# Altium PCB PCB-Tester-Relay-Board.PcbDoc (part 1 of 4) (continued)
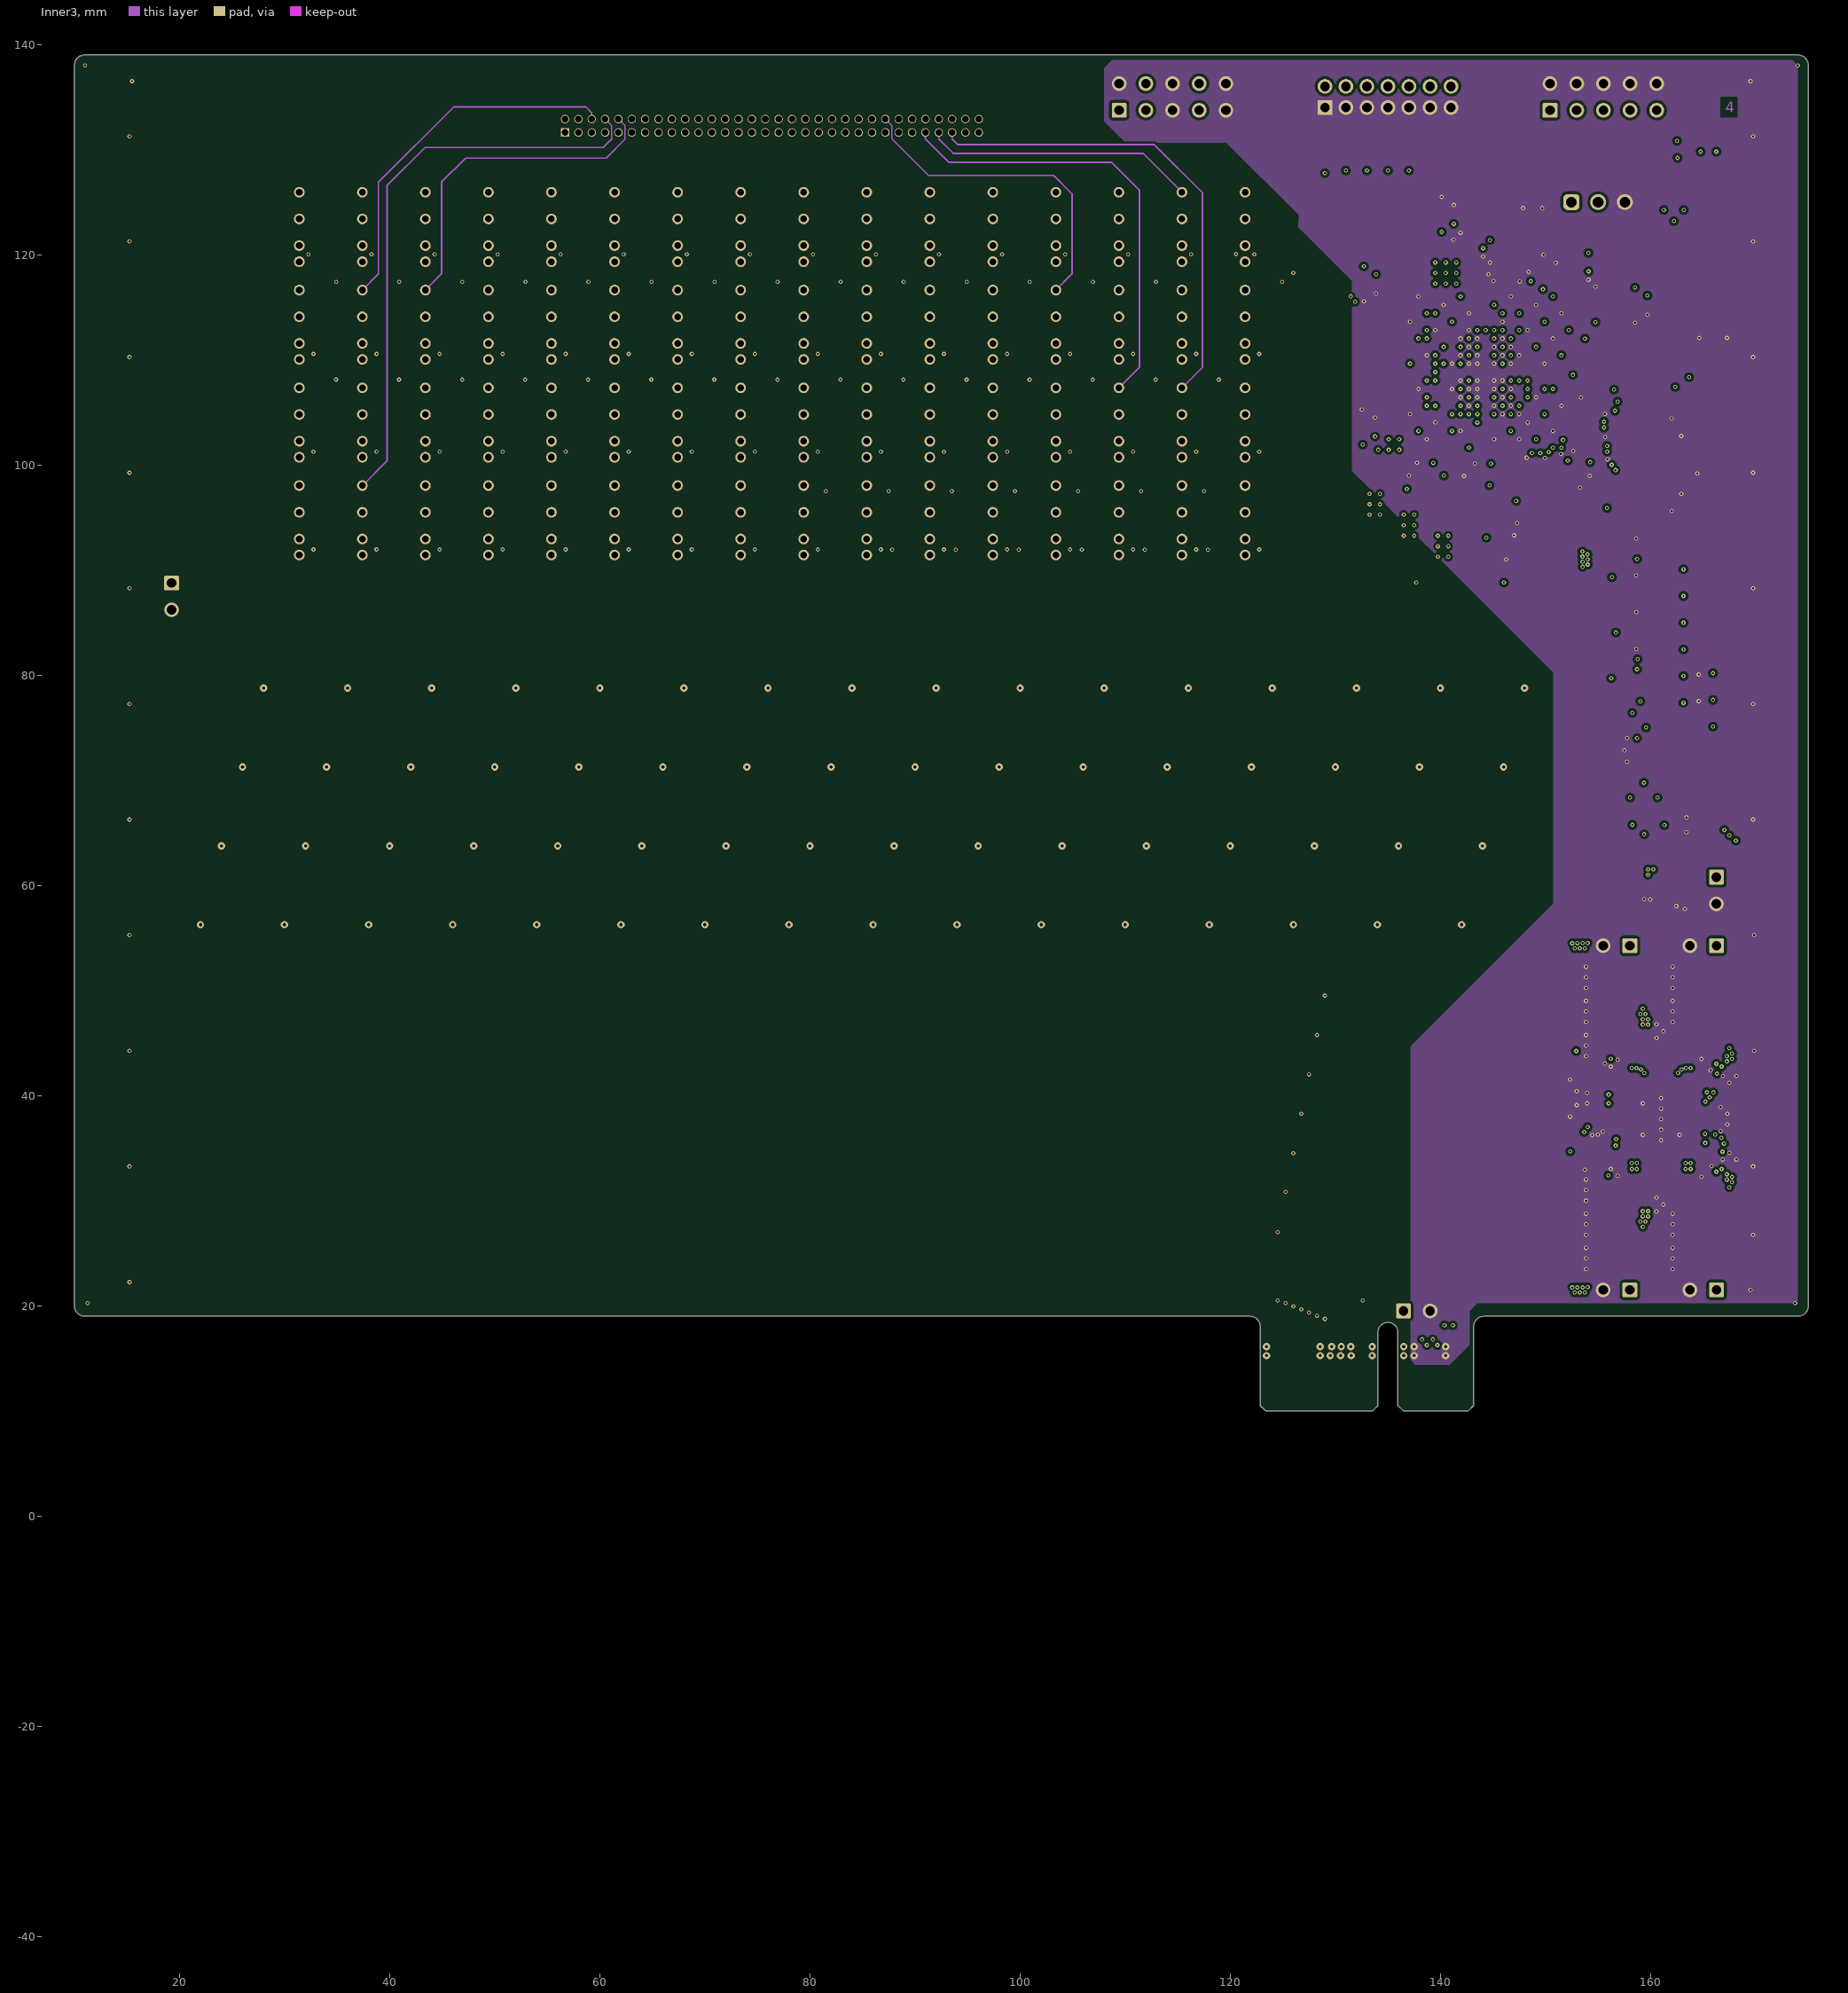
[diagram p4: Inner3]
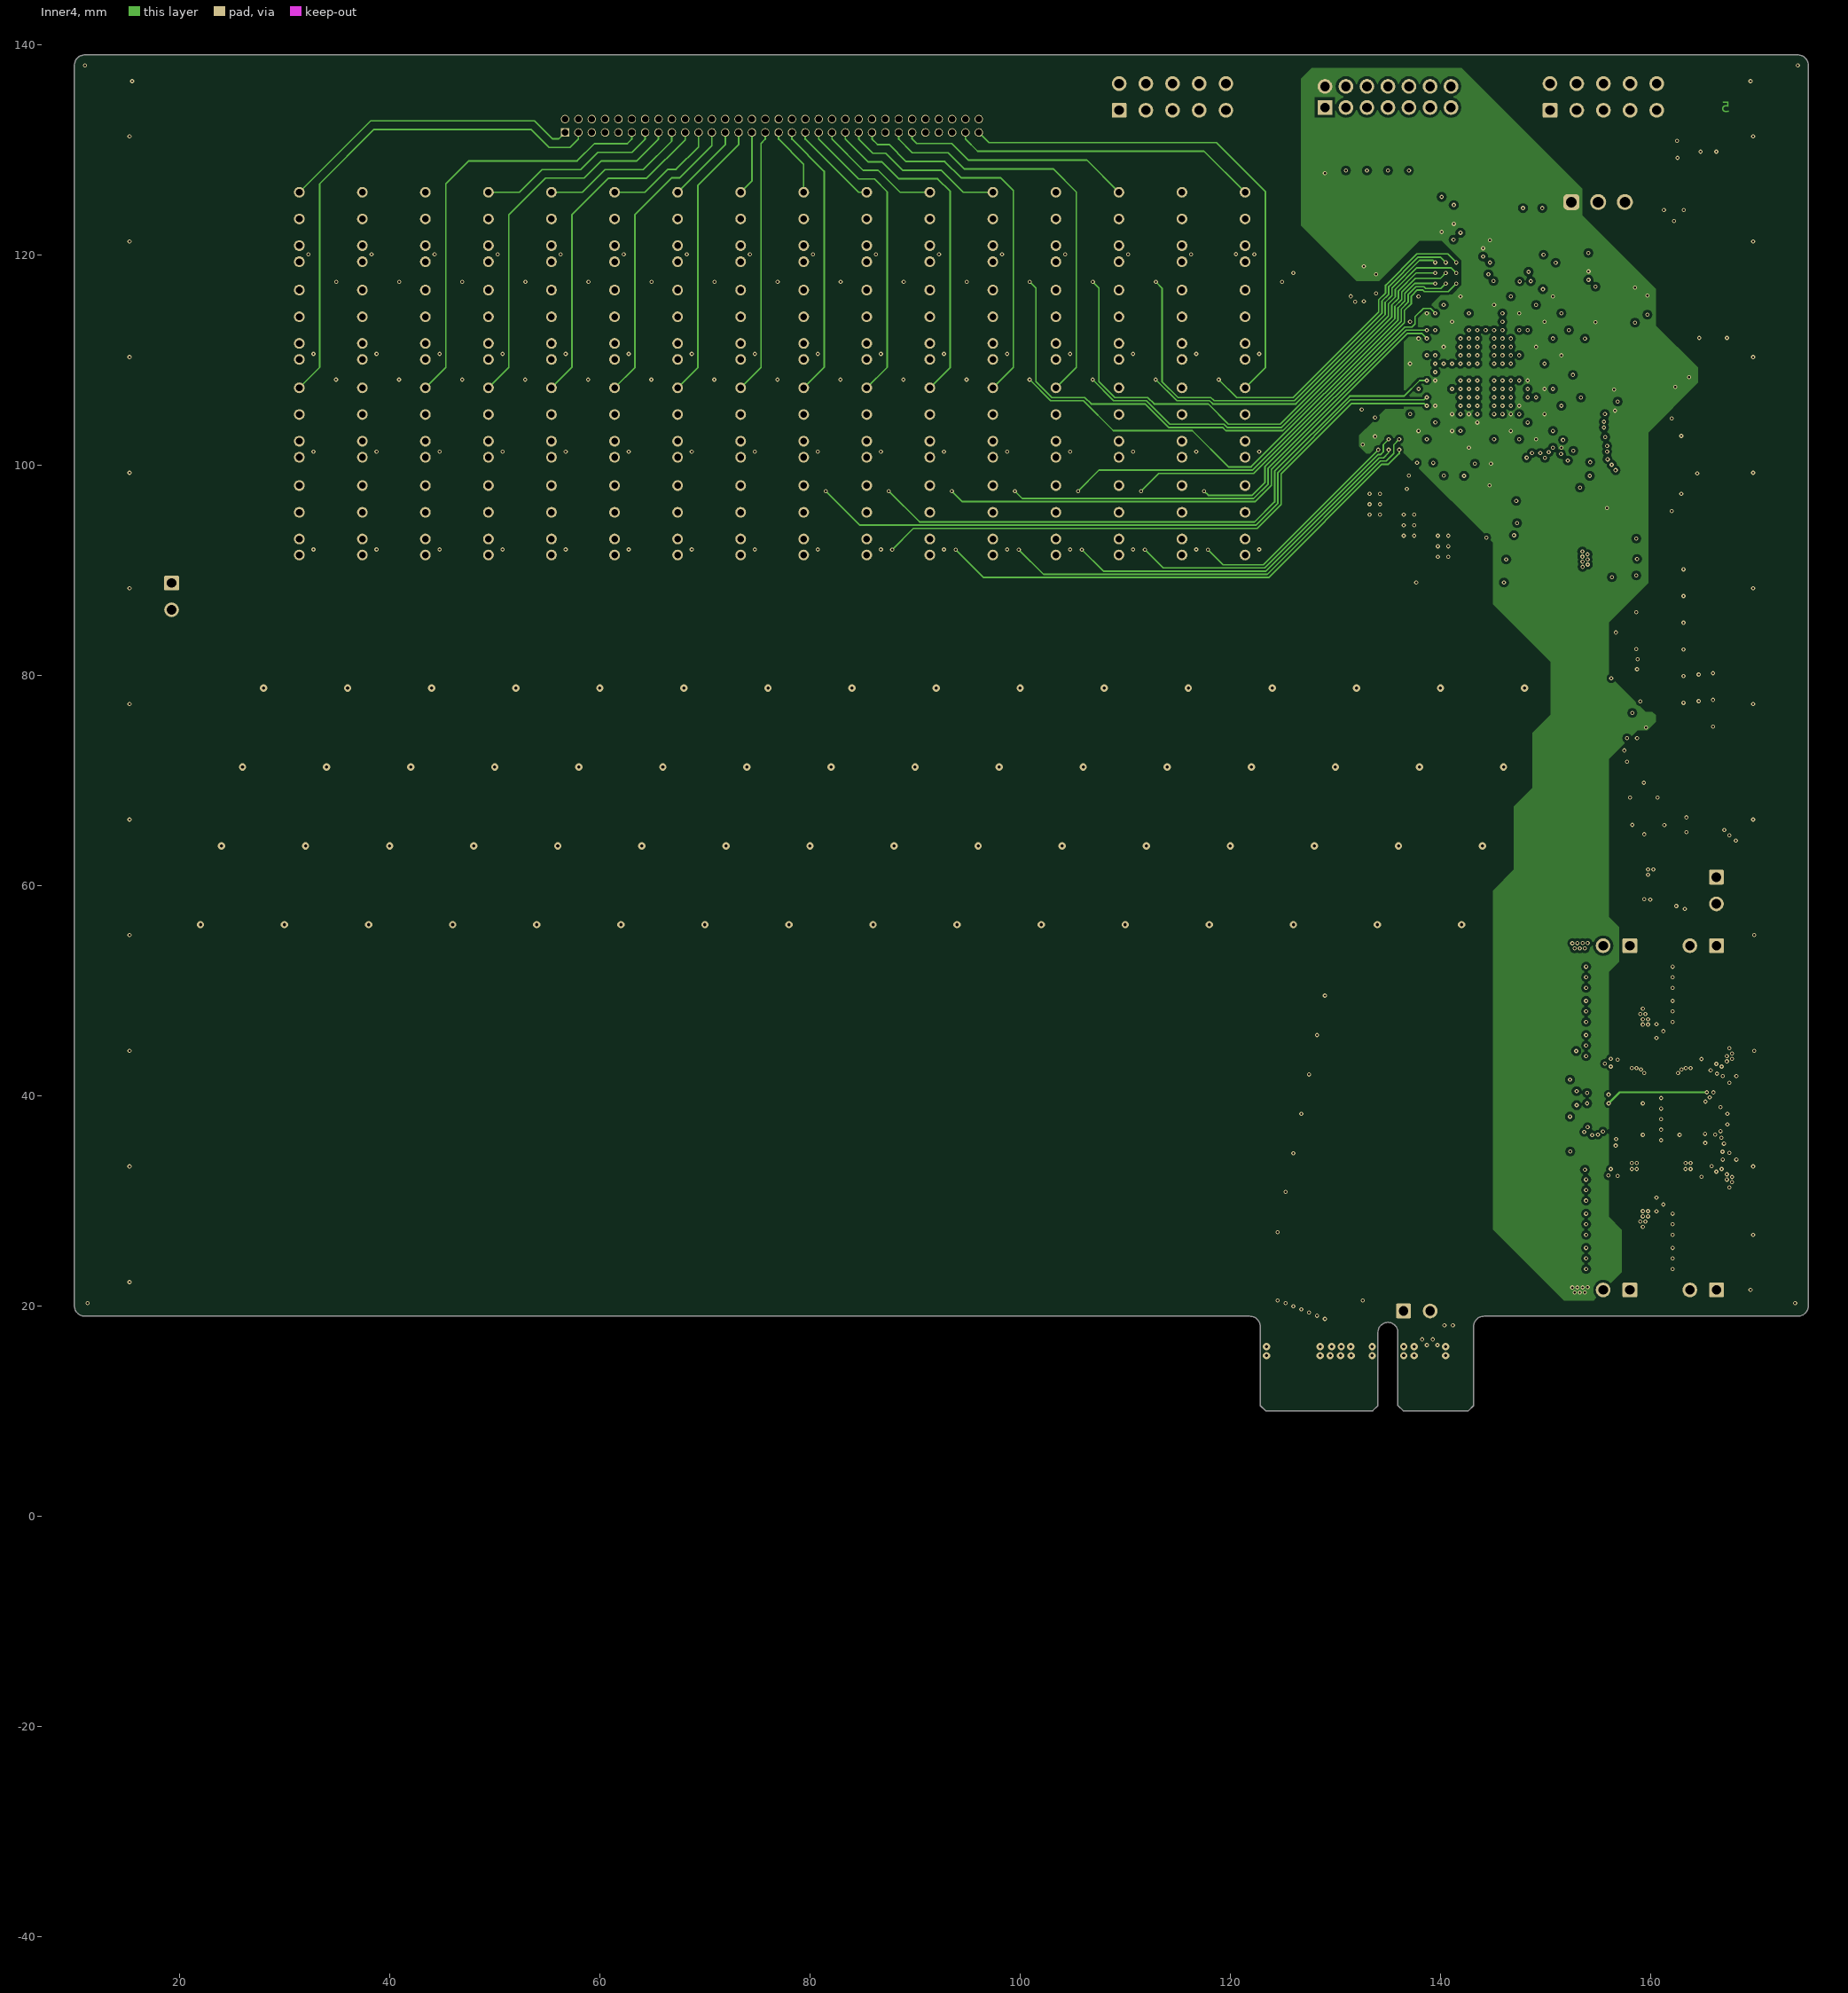
[diagram p5: Inner4]
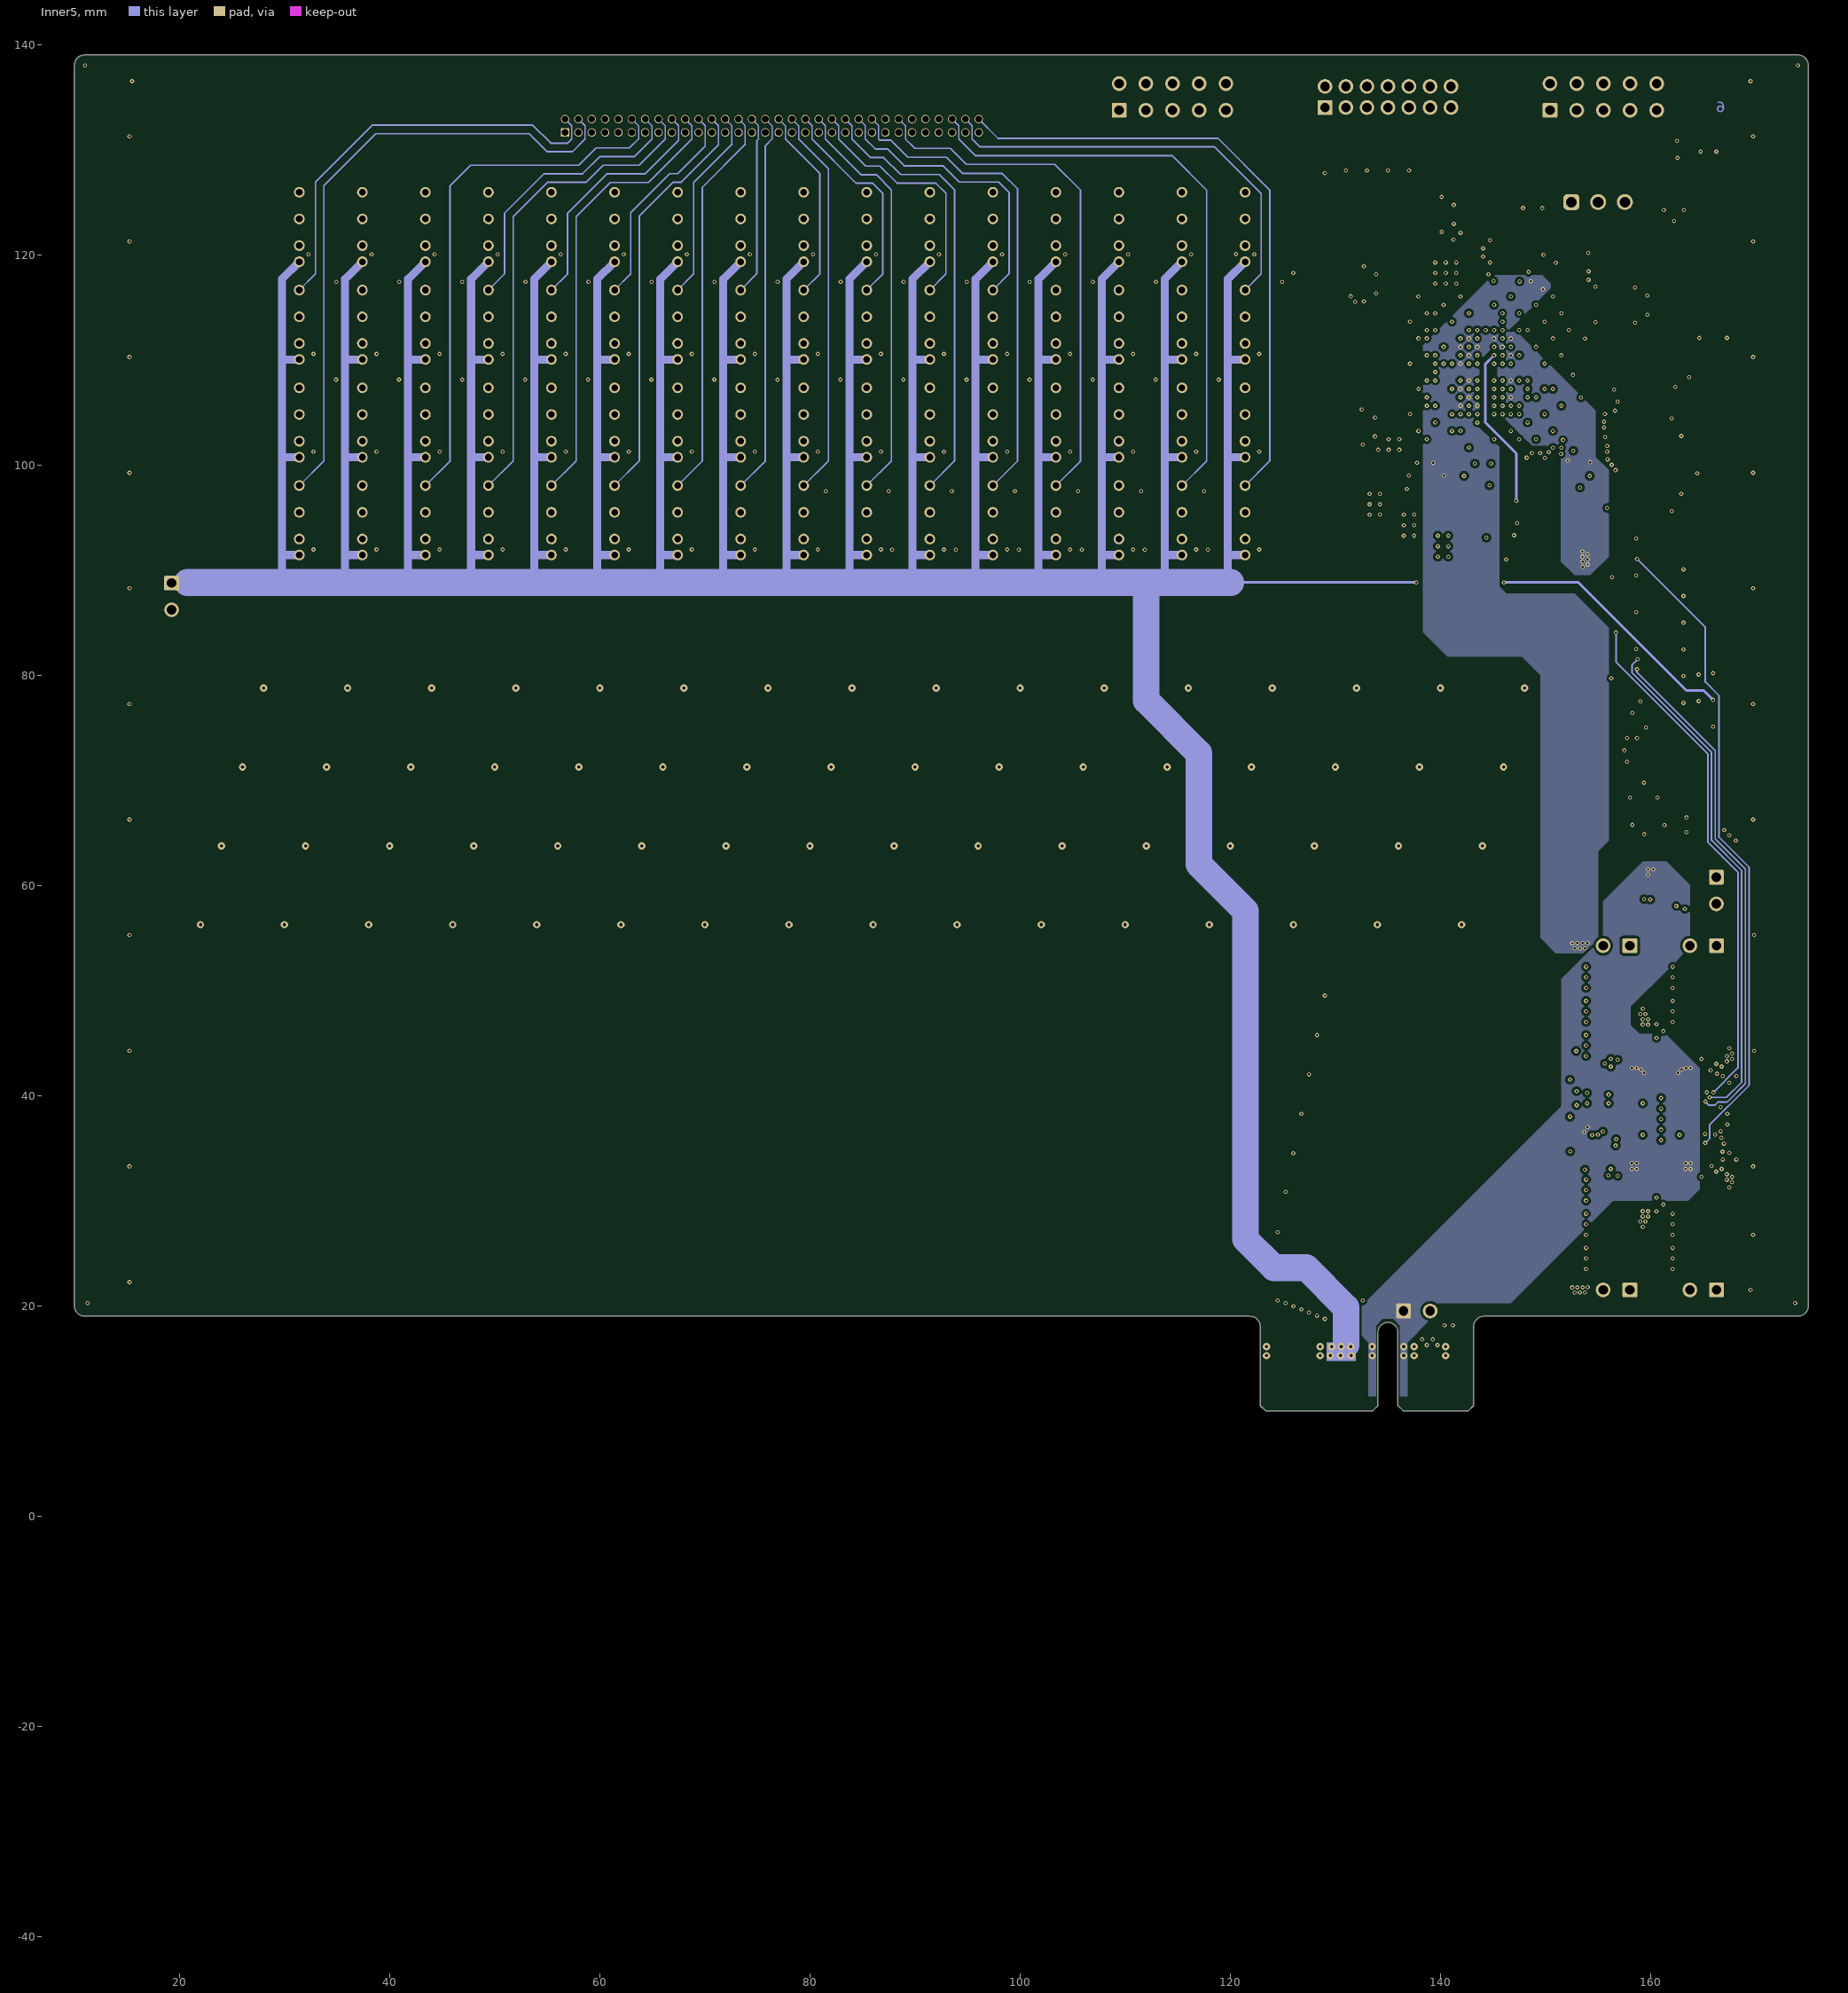
[diagram p6: Inner5]